# Altium PCB L1_SmashBoy_PCB2.PcbDoc (part 3 of 3)
Units mm, origin at the board's own origin, x right, y up, seen from the top; angles counter-clockwise.
Board outline 95.7 x 90 mm, 4 copper layers (Top Layer, Int1 (GND), Int2 (PWR), Bottom Layer), stack 1.531 mm thick; 133 components, 156 nets, 820 pads, 308 vias.
Unrouted connection lines stored in the file: 4.
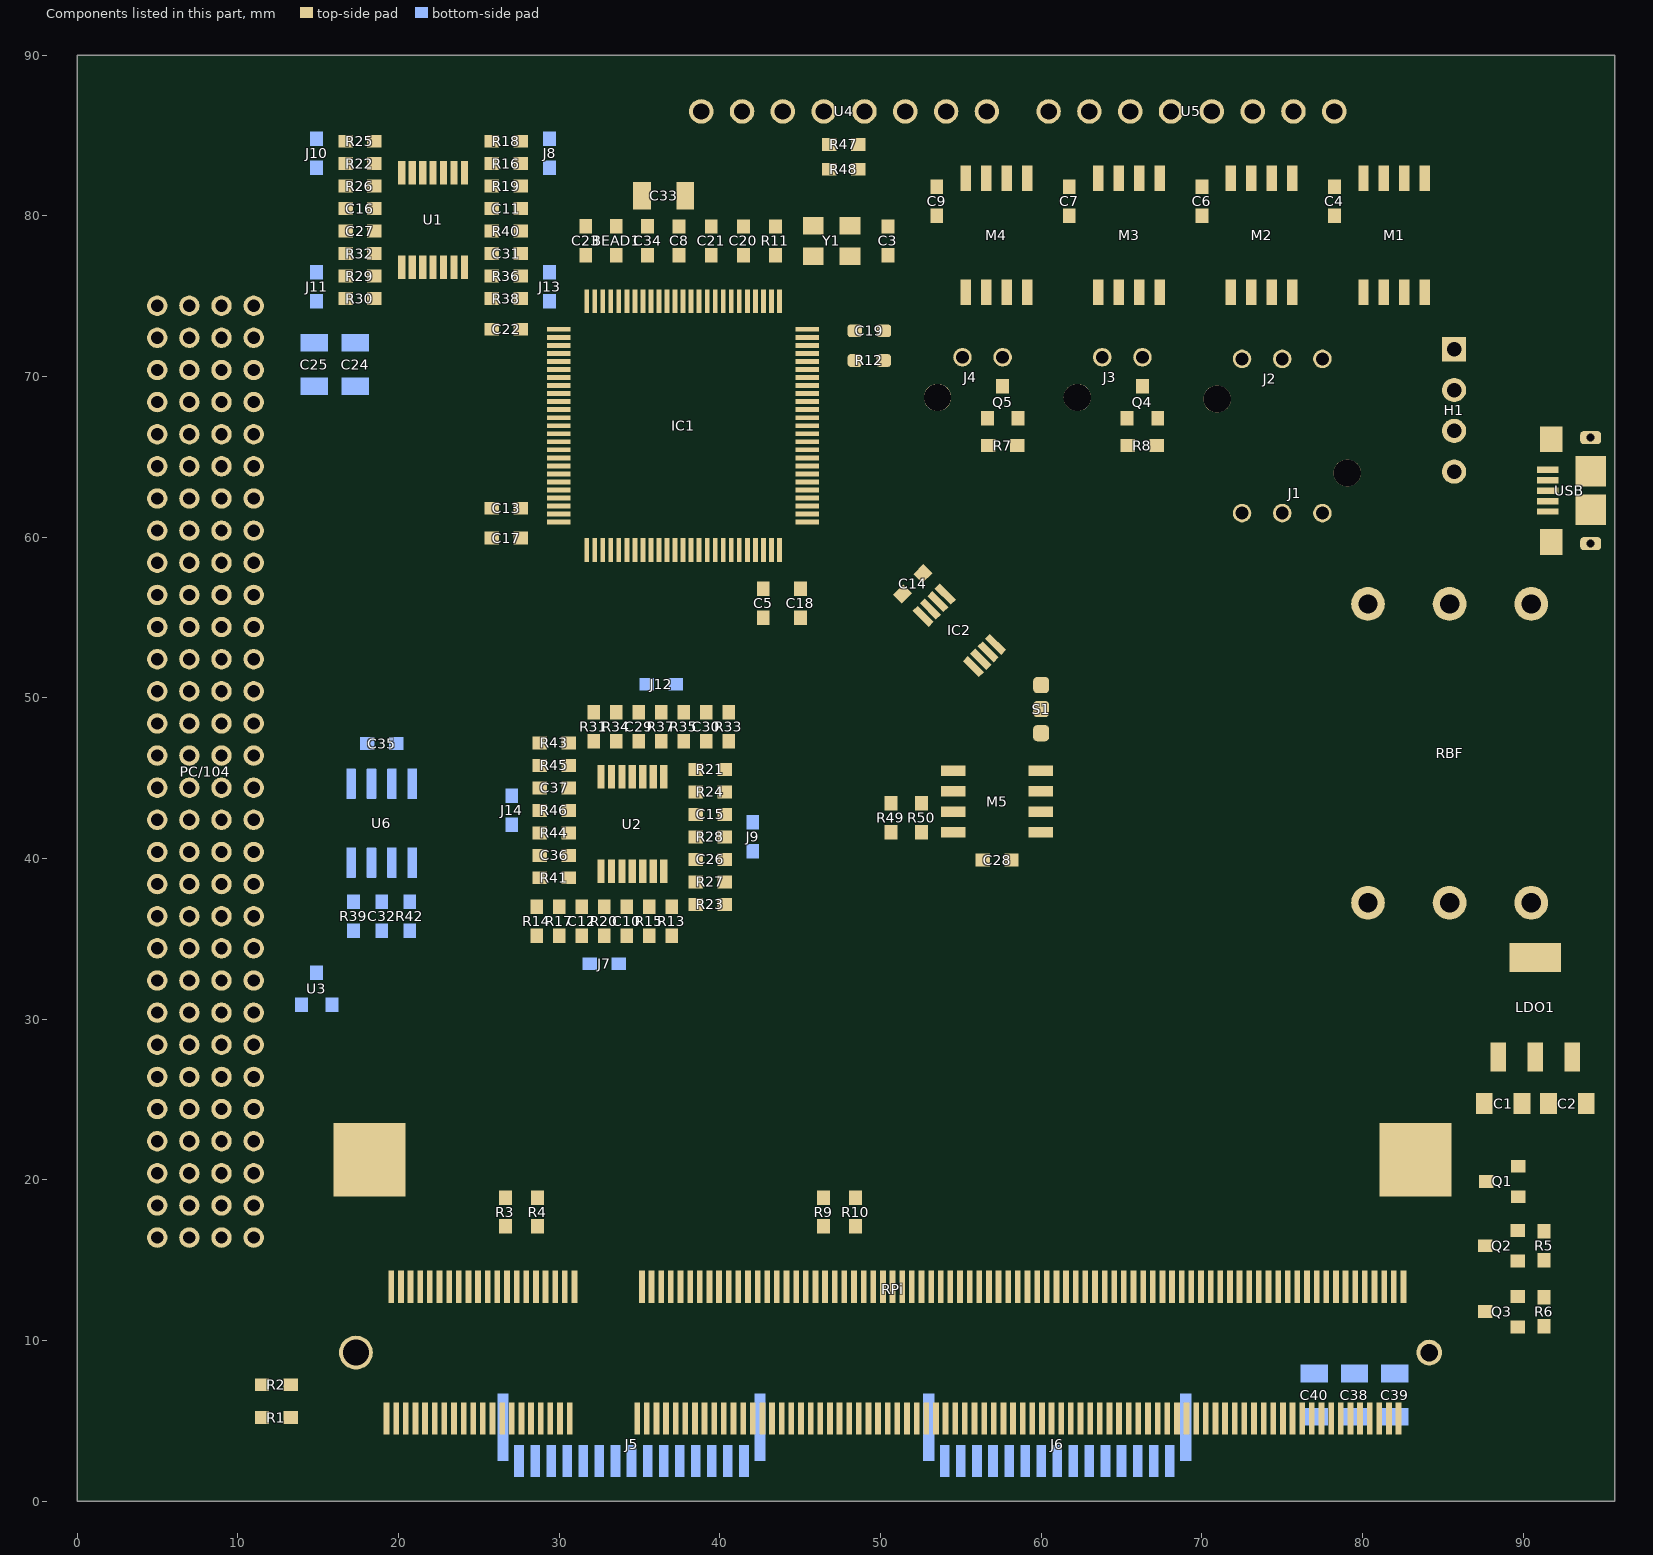
[diagram p5: the components of this part, seen from the top]

## Silkscreen, mask and mechanical layers (free items; w line width, h text height)
Top Overlay:
  drawing of 58 lines, arcs and shapes, not listed
  text "SMASHBOY_AVI_OBC_PCB_PART01_V01" at 41.45,87.8 h1.52
  text "PCB N 01 V 1.0" at 6.539,87.122 h1.52
  text "01/2021" at 6.35,85.3 h1
  text "1" at 60.9,50.2 h0.8
  text "WP" at 60.8,48.7 h0.8
  text "0" at 60.8,47.2 h0.8
  text "DESIGN : HENRIQUE TERZI LUCCHETTA" at 61.214,2.032 h1.5
Bottom Overlay:
  drawing of 157 lines, arcs and shapes, not listed
  text "3V3" at 84.3,71.05 h0.8
  text "GND" at 84.3,68.517 h0.8
  text "SWDIO" at 84.3,65.983 h0.8
  text "SWCLK" at 84.3,63.45 h0.8
  text "Remove / Before / Flight" at 85.35,27 h1.5
Temp (Mech6):
  drawing of 47 lines, arcs and shapes, not listed

## Text inside footprints (layer, text, board x,y; h text height)
PC/104: Top Overlay "D" at 4.503,13.235 h1; Top Overlay "C" at 6.662,13.235 h1; Top Overlay "B" at 8.567,13.235 h1; Top Overlay "A" at 10.599,13.362 h1; Mechanical 13 "*" at 12.107,13.87 h1.27 r270
RPi: Top Overlay "1" at 15.393,4.513 h1; Top Overlay "2" at 15.393,12.717 h1; Mechanical 13 "1" at 15.393,4.513 h1.27; Mechanical 13 "2" at 15.393,12.717 h1.27; Mechanical 13 "199" at 82.75,2.25 h1.27
USB: Mechanical 7 "PCB END" at 95.5,67.65 h0.63 r90